# Altium PCB Quad-Stage-Prototype_V1.0.PcbDoc (part 3 of 3)
Units mm, origin at the board's own origin, x right, y up, seen from the top; angles counter-clockwise.
Board outline 267.25 x 88.5 mm, 2 copper layers (Top Layer, Bottom Layer), stack 1.548 mm thick; 272 components, 212 nets, 959 pads, 903 vias.
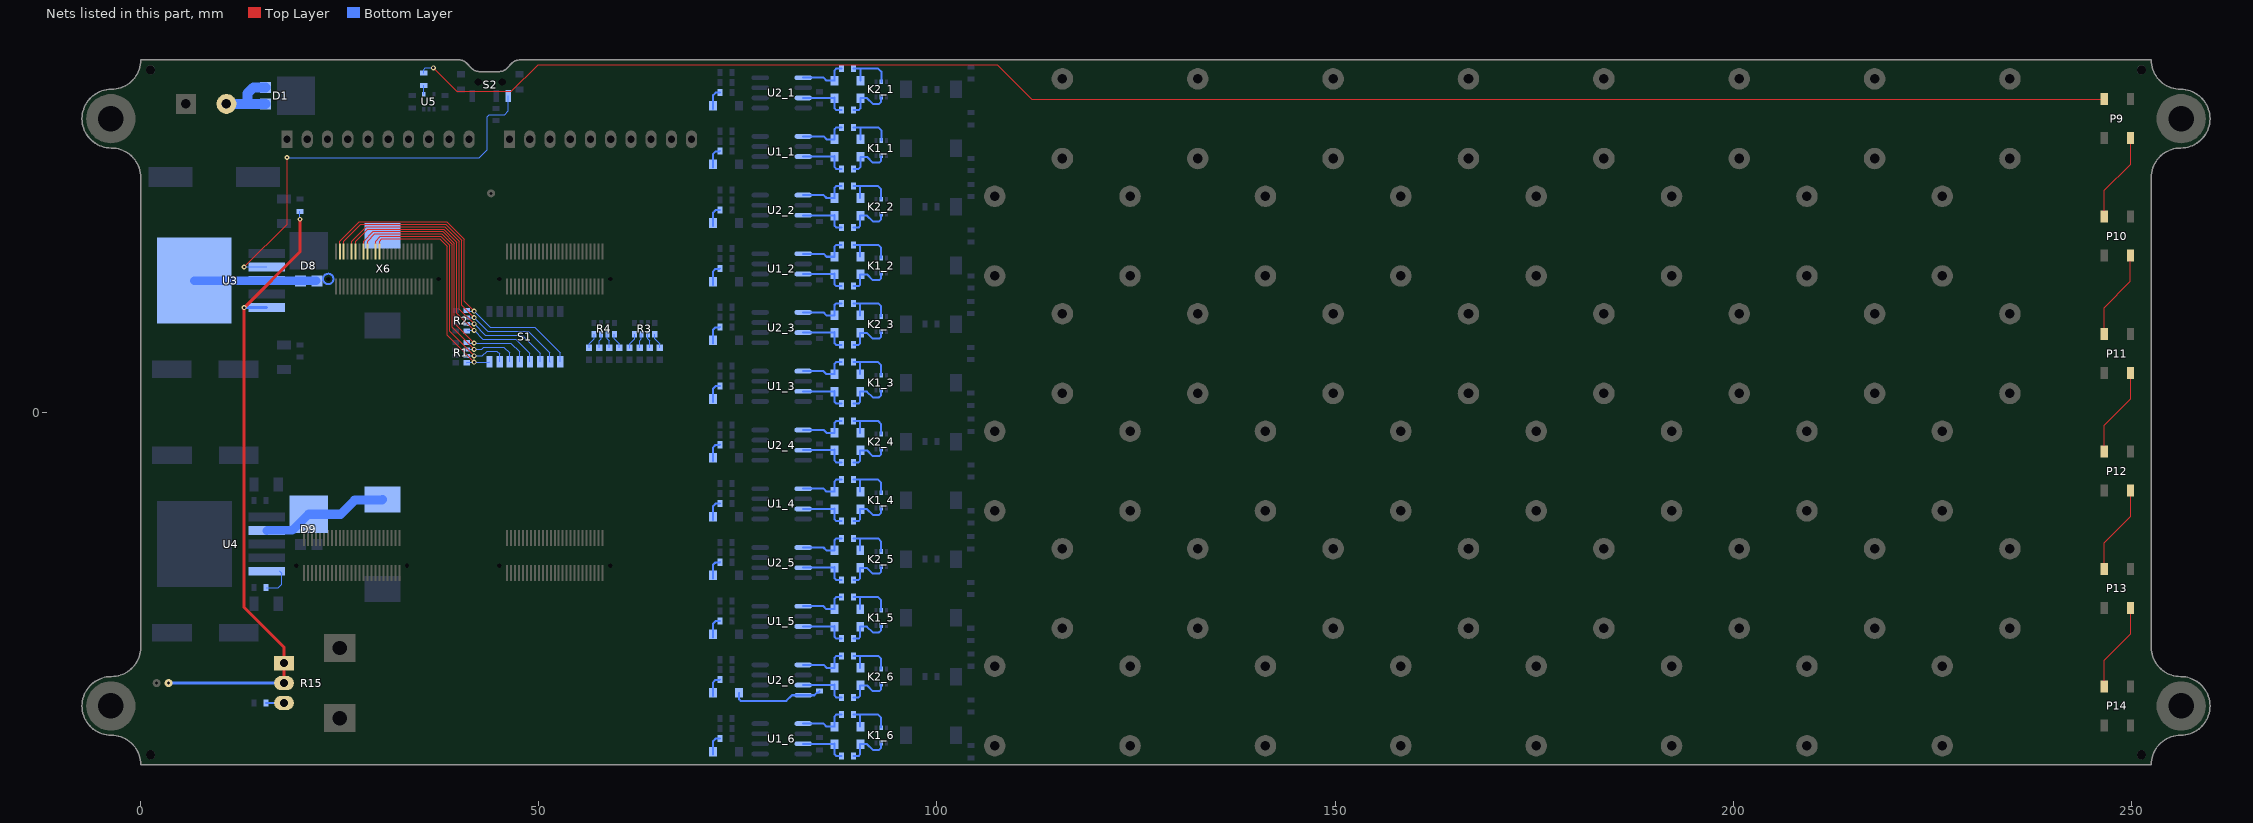
[diagram p3: the nets of this part, all layers, seen from the top]

## Via types
v1: diameter 0.62, hole 0.3, Top Layer to Bottom Layer, tented both sides, 903 vias

## Nets (pads, with @x,y where several pads share a name; then routed paths per layer and width w, separated by ;. In a path a pad name is that pad's centre, name@x,y a point inside that pad or via, vN(x,y) a via of type N, cw(c..) or ccw(c..) an arc to the next point about the centre after c; other vN are vias at no path point) (continued)
NetC7_6_2: C7_6.2 D5_6.K U2_6.8 | length 11.5
  Bottom Layer w0.254: D5_6.K@75.12,-35.221 75.147,-35.248 75.147,-36.045 75.347,-36.245 81.081,-36.245 81.796,-35.53 U2_6.8@83.2,-35.53 84.59,-35.53 84.917,-35.203 85.059,-35.203 C7_6.2@85.25,-35.012
NetD1_A: D1.A X1.2 | length 8.9
  Bottom Layer w1.27: X1.2@10.765,38.735 13.4,38.735 ; D1.A@15.695,38.71 15.67,38.735 13.4,38.735 ; D1.A@15.695,40.79 14.144,40.79 13.4,40.046 13.4,38.735
NetD2_1_A: D2_1.A R5_1.1 | length 2.7
  Bottom Layer w0.254: D2_1.A@71.883,30.75 71.883,31.15 71.883,32.459 72.191,32.767 72.708,32.767 R5_1.1@72.741,32.8
NetD2_2_A: D2_2.A R5_2.1 | length 2.7
  Bottom Layer w0.254: D2_2.A@71.88,16.005 71.88,16.405 71.88,17.714 72.188,18.022 72.705,18.022 R5_2.1@72.738,18.055
NetD2_3_A: D2_3.A R5_3.1 | length 2.7
  Bottom Layer w0.254: D2_3.A@71.876,1.275 71.876,1.675 71.876,2.984 72.184,3.292 72.701,3.292 R5_3.1@72.734,3.325
NetD2_4_A: D2_4.A R5_4.1 | length 2.7
  Bottom Layer w0.254: D2_4.A@71.88,-13.495 71.88,-13.095 71.88,-11.786 72.188,-11.478 72.705,-11.478 R5_4.1@72.738,-11.445
NetD2_5_A: D2_5.A R5_5.1 | length 2.7
  Bottom Layer w0.254: D2_5.A@71.876,-28.25 71.876,-27.85 71.876,-26.541 72.184,-26.233 72.701,-26.233 R5_5.1@72.734,-26.2
NetD2_6_A: D2_6.A R5_6.1 | length 2.7
  Bottom Layer w0.254: D2_6.A@71.88,-42.995 71.88,-42.595 71.88,-41.286 72.188,-40.978 72.705,-40.978 R5_6.1@72.738,-40.945
NetD3_1_A: D3_1.A K1_1.2 R6_1.1 | length 5.9
  Bottom Layer w0.25: R6_1.1@89.515,30.584 90.159,30.584 90.366,30.791 D3_1.A@90.366,32.077 ; D3_1.A@90.373,32.083 91.215,32.084 91.943,31.356 92.728,31.356 92.982,31.61 92.982,32.212 K1_1.2@93.003,32.233
NetD3_1_K: D3_1.K R6_1.2 U1_1.7 | length 6.2
  Bottom Layer w0.25: 87.14,30.791 87.347,30.584 R6_1.2@87.991,30.584 ; 87.14,30.891 87.14,32.111 D3_1.K@87.14,32.177
  Bottom Layer w0.254: U1_1.7@83.203,32.111 D3_1.K@87.14,32.111
NetD3_2_A: D3_2.A K1_2.2 R6_2.1 | length 5.9
  Bottom Layer w0.25: R6_2.1@89.512,15.839 90.156,15.839 90.363,16.046 D3_2.A@90.363,17.332 ; D3_2.A@90.37,17.338 91.212,17.338 91.94,16.611 92.725,16.611 92.979,16.865 92.979,17.467 K1_2.2@93,17.488
NetD3_2_K: D3_2.K R6_2.2 U1_2.7 | length 6.2
  Bottom Layer w0.25: 87.137,16.046 87.344,15.839 R6_2.2@87.988,15.839 ; 87.137,16.146 87.137,17.366 D3_2.K@87.137,17.432
  Bottom Layer w0.254: U1_2.7@83.2,17.366 D3_2.K@87.137,17.366
NetD3_3_A: D3_3.A K1_3.2 R6_3.1 | length 5.9
  Bottom Layer w0.25: R6_3.1@89.508,1.109 90.152,1.109 90.359,1.316 D3_3.A@90.359,2.602 ; D3_3.A@90.366,2.608 91.208,2.609 91.936,1.881 92.721,1.881 92.975,2.135 92.975,2.737 K1_3.2@92.996,2.758
NetD3_3_K: D3_3.K R6_3.2 U1_3.7 | length 6.2
  Bottom Layer w0.25: 87.133,1.316 87.34,1.109 R6_3.2@87.984,1.109 ; 87.133,1.416 87.133,2.636 D3_3.K@87.133,2.702
  Bottom Layer w0.254: U1_3.7@83.196,2.636 D3_3.K@87.133,2.636
NetD3_4_A: D3_4.A K1_4.2 R6_4.1 | length 5.9
  Bottom Layer w0.25: R6_4.1@89.512,-13.661 90.156,-13.661 90.363,-13.454 D3_4.A@90.363,-12.168 ; D3_4.A@90.37,-12.162 91.212,-12.161 91.94,-12.889 92.725,-12.889 92.979,-12.635 92.979,-12.033 K1_4.2@93,-12.012
NetD3_4_K: D3_4.K R6_4.2 U1_4.7 | length 6.2
  Bottom Layer w0.25: 87.137,-13.454 87.344,-13.661 R6_4.2@87.988,-13.661 ; 87.137,-13.354 87.137,-12.134 D3_4.K@87.137,-12.068
  Bottom Layer w0.254: U1_4.7@83.2,-12.134 D3_4.K@87.137,-12.134
NetD3_5_A: D3_5.A K1_5.2 R6_5.1 | length 5.9
  Bottom Layer w0.25: R6_5.1@89.508,-28.417 90.152,-28.416 90.359,-28.209 D3_5.A@90.359,-26.923 ; D3_5.A@90.366,-26.917 91.208,-26.916 91.936,-27.644 92.721,-27.644 92.975,-27.39 92.975,-26.788 K1_5.2@92.996,-26.767
NetD3_5_K: D3_5.K R6_5.2 U1_5.7 | length 6.2
  Bottom Layer w0.25: 87.133,-28.209 87.34,-28.416 R6_5.2@87.984,-28.417 ; 87.133,-28.109 87.133,-26.889 D3_5.K@87.133,-26.823
  Bottom Layer w0.254: U1_5.7@83.196,-26.889 D3_5.K@87.133,-26.889
NetD3_6_A: D3_6.A K1_6.2 R6_6.1 | length 5.9
  Bottom Layer w0.25: R6_6.1@89.512,-43.162 90.156,-43.161 90.363,-42.954 D3_6.A@90.363,-41.668 ; D3_6.A@90.37,-41.662 91.212,-41.661 91.94,-42.389 92.725,-42.389 92.979,-42.135 92.979,-41.533 K1_6.2@93,-41.512
NetD3_6_K: D3_6.K R6_6.2 U1_6.7 | length 6.2
  Bottom Layer w0.25: 87.137,-42.954 87.344,-43.161 R6_6.2@87.988,-43.162 ; 87.137,-42.854 87.137,-41.634 D3_6.K@87.137,-41.568
  Bottom Layer w0.254: U1_6.7@83.2,-41.634 D3_6.K@87.137,-41.634
NetD4_1_A: D4_1.A K1_1.5 R7_1.1 | length 6.4
  Bottom Layer w0.25: R7_1.1@89.515,35.783 90.366,35.784 ; D4_1.A@90.366,34.291 90.366,35.784 ; K1_1.5@93.003,34.133 93.003,35.399 92.618,35.784 90.366,35.784
NetD4_1_K: D4_1.K R7_1.2 U1_1.5 | length 6.3
  Bottom Layer w0.25: D4_1.K@87.133,34.284 87.14,34.291 87.14,35.577 87.347,35.784 R7_1.2@87.991,35.783
  Bottom Layer w0.254: U1_1.5@83.203,34.651 85.761,34.651 86.128,34.284 D4_1.K@87.133,34.284
NetD4_2_A: D4_2.A K1_2.5 R7_2.1 | length 6.4
  Bottom Layer w0.25: R7_2.1@89.512,21.038 90.363,21.039 ; D4_2.A@90.363,19.546 90.363,21.039 ; K1_2.5@93,19.388 93,20.654 92.615,21.039 90.363,21.039
NetD4_2_K: D4_2.K R7_2.2 U1_2.5 | length 6.3
  Bottom Layer w0.25: D4_2.K@87.13,19.537 87.137,19.546 87.137,20.832 87.344,21.039 R7_2.2@87.988,21.038
  Bottom Layer w0.254: U1_2.5@83.2,19.906 85.758,19.906 86.125,19.539 D4_2.K@87.13,19.537
NetD4_3_A: D4_3.A K1_3.5 R7_3.1 | length 6.4
  Bottom Layer w0.25: R7_3.1@89.508,6.309 90.359,6.309 ; D4_3.A@90.359,4.816 90.359,6.309 ; K1_3.5@92.996,4.658 92.996,5.924 92.611,6.309 90.359,6.309
NetD4_3_K: D4_3.K R7_3.2 U1_3.5 | length 6.3
  Bottom Layer w0.25: D4_3.K@87.126,4.808 87.133,4.816 87.133,6.102 87.34,6.309 R7_3.2@87.984,6.309
  Bottom Layer w0.254: U1_3.5@83.196,5.176 85.754,5.176 86.121,4.809 D4_3.K@87.126,4.808
NetD4_4_A: D4_4.A K1_4.5 R7_4.1 | length 6.4
  Bottom Layer w0.25: R7_4.1@89.512,-8.461 90.363,-8.461 ; D4_4.A@90.363,-9.954 90.363,-8.461 ; K1_4.5@93,-10.112 93,-8.846 92.615,-8.461 90.363,-8.461
NetD4_4_K: D4_4.K R7_4.2 U1_4.5 | length 6.3
  Bottom Layer w0.25: D4_4.K@87.13,-9.962 87.137,-9.954 87.137,-8.668 87.344,-8.461 R7_4.2@87.988,-8.461
  Bottom Layer w0.254: U1_4.5@83.2,-9.594 85.758,-9.594 86.125,-9.961 D4_4.K@87.13,-9.962
NetD4_5_A: D4_5.A K1_5.5 R7_5.1 | length 6.4
  Bottom Layer w0.25: R7_5.1@89.508,-23.216 90.359,-23.216 ; D4_5.A@90.359,-24.709 90.359,-23.216 ; K1_5.5@92.996,-24.867 92.996,-23.601 92.611,-23.216 90.359,-23.216
NetD4_5_K: D4_5.K R7_5.2 U1_5.5 | length 6.3
  Bottom Layer w0.25: D4_5.K@87.126,-24.717 87.133,-24.709 87.133,-23.423 87.34,-23.216 R7_5.2@87.984,-23.216
  Bottom Layer w0.254: U1_5.5@83.196,-24.349 85.754,-24.349 86.121,-24.716 D4_5.K@87.126,-24.717
NetD4_6_A: D4_6.A K1_6.5 R7_6.1 | length 6.4
  Bottom Layer w0.25: R7_6.1@89.512,-37.961 90.363,-37.961 ; D4_6.A@90.363,-39.454 90.363,-37.961 ; K1_6.5@93,-39.612 93,-38.346 92.615,-37.961 90.363,-37.961
NetD4_6_K: D4_6.K R7_6.2 U1_6.5 | length 6.3
  Bottom Layer w0.25: D4_6.K@87.13,-39.462 87.137,-39.454 87.137,-38.168 87.344,-37.961 R7_6.2@87.988,-37.961
  Bottom Layer w0.254: U1_6.5@83.2,-39.094 85.758,-39.094 86.125,-39.461 D4_6.K@87.13,-39.462
NetD5_1_A: D5_1.A R8_1.1 | length 2.7
  Bottom Layer w0.254: D5_1.A@71.883,38.124 D5_1.A@71.883,38.524 71.883,39.833 72.191,40.141 72.708,40.141 R8_1.1@72.741,40.174
NetD5_2_A: D5_2.A R8_2.1 | length 2.7
  Bottom Layer w0.254: D5_2.A@71.88,23.379 D5_2.A@71.88,23.779 71.88,25.088 72.188,25.396 72.705,25.396 R8_2.1@72.738,25.429
NetD5_3_A: D5_3.A R8_3.1 | length 2.7
  Bottom Layer w0.254: D5_3.A@71.876,8.649 D5_3.A@71.876,9.049 71.876,10.358 72.184,10.666 72.701,10.666 R8_3.1@72.734,10.699
NetD5_4_A: D5_4.A R8_4.1 | length 2.7
  Bottom Layer w0.254: D5_4.A@71.88,-6.121 D5_4.A@71.88,-5.721 71.88,-4.412 72.188,-4.104 72.705,-4.104 R8_4.1@72.738,-4.071
NetD5_5_A: D5_5.A R8_5.1 | length 2.7
  Bottom Layer w0.254: D5_5.A@71.876,-20.876 D5_5.A@71.876,-20.476 71.876,-19.167 72.184,-18.859 72.701,-18.859 R8_5.1@72.734,-18.826
NetD5_6_A: D5_6.A R8_6.1 | length 2.7
  Bottom Layer w0.254: D5_6.A@71.88,-35.621 D5_6.A@71.88,-35.221 71.88,-33.912 72.188,-33.604 72.705,-33.604 R8_6.1@72.738,-33.571
NetD6_1_A: D6_1.A K2_1.2 R10_1.1 | length 5.9
  Bottom Layer w0.25: R10_1.1@89.515,37.958 90.159,37.958 90.366,38.165 D6_1.A@90.366,39.451 ; D6_1.A@90.373,39.458 91.215,39.458 91.943,38.73 92.728,38.73 92.982,38.984 92.982,39.586 K2_1.2@93.003,39.607
NetD6_1_K: D6_1.K R10_1.2 U2_1.7 | length 6.2
  Bottom Layer w0.25: 87.14,38.165 87.347,37.958 R10_1.2@87.991,37.958 ; 87.14,38.265 87.14,39.485 D6_1.K@87.14,39.551
  Bottom Layer w0.254: U2_1.7@83.203,39.485 D6_1.K@87.14,39.485
NetD6_2_A: D6_2.A K2_2.2 R10_2.1 | length 5.9
  Bottom Layer w0.25: R10_2.1@89.512,23.213 90.156,23.213 90.363,23.42 D6_2.A@90.363,24.706 ; D6_2.A@90.37,24.712 91.212,24.712 91.94,23.985 92.725,23.985 92.979,24.239 92.979,24.841 K2_2.2@93,24.862
NetD6_2_K: D6_2.K R10_2.2 U2_2.7 | length 6.2
  Bottom Layer w0.25: 87.137,23.42 87.344,23.213 R10_2.2@87.988,23.213 ; 87.137,23.52 87.137,24.74 D6_2.K@87.137,24.806
  Bottom Layer w0.254: U2_2.7@83.2,24.74 D6_2.K@87.137,24.74
NetD6_3_A: D6_3.A K2_3.2 R10_3.1 | length 5.9
  Bottom Layer w0.25: R10_3.1@89.508,8.483 90.152,8.483 90.359,8.69 D6_3.A@90.359,9.976 ; D6_3.A@90.366,9.982 91.208,9.982 91.936,9.255 92.721,9.255 92.975,9.509 92.975,10.111 K2_3.2@92.996,10.132
NetD6_3_K: D6_3.K R10_3.2 U2_3.7 | length 6.2
  Bottom Layer w0.25: 87.133,8.69 87.34,8.483 R10_3.2@87.984,8.483 ; 87.133,8.79 87.133,10.01 D6_3.K@87.133,10.076
  Bottom Layer w0.254: U2_3.7@83.196,10.01 D6_3.K@87.133,10.01
NetD6_4_A: D6_4.A K2_4.2 R10_4.1 | length 5.9
  Bottom Layer w0.25: R10_4.1@89.512,-6.287 90.156,-6.287 90.363,-6.08 D6_4.A@90.363,-4.794 ; D6_4.A@90.37,-4.788 91.212,-4.788 91.94,-5.515 92.725,-5.515 92.979,-5.261 92.979,-4.659 K2_4.2@93,-4.638
NetD6_4_K: D6_4.K R10_4.2 U2_4.7 | length 6.2
  Bottom Layer w0.25: 87.137,-6.08 87.344,-6.287 R10_4.2@87.988,-6.287 ; 87.137,-5.98 87.137,-4.76 D6_4.K@87.137,-4.694
  Bottom Layer w0.254: U2_4.7@83.2,-4.76 D6_4.K@87.137,-4.76
NetD6_5_A: D6_5.A K2_5.2 R10_5.1 | length 5.9
  Bottom Layer w0.25: R10_5.1@89.508,-21.042 90.152,-21.042 90.359,-20.835 D6_5.A@90.359,-19.549 ; D6_5.A@90.366,-19.543 91.208,-19.543 91.936,-20.27 92.721,-20.27 92.975,-20.016 92.975,-19.414 K2_5.2@92.996,-19.393
NetD6_5_K: D6_5.K R10_5.2 U2_5.7 | length 6.2
  Bottom Layer w0.25: 87.133,-20.835 87.34,-21.042 R10_5.2@87.984,-21.042 ; 87.133,-20.735 87.133,-19.515 D6_5.K@87.133,-19.449
  Bottom Layer w0.254: U2_5.7@83.196,-19.515 D6_5.K@87.133,-19.515
NetD6_6_A: D6_6.A K2_6.2 R10_6.1 | length 5.9
  Bottom Layer w0.25: R10_6.1@89.512,-35.787 90.156,-35.787 90.363,-35.58 D6_6.A@90.363,-34.294 ; D6_6.A@90.37,-34.288 91.212,-34.288 91.94,-35.015 92.725,-35.015 92.979,-34.761 92.979,-34.159 K2_6.2@93,-34.138
NetD6_6_K: D6_6.K R10_6.2 U2_6.7 | length 6.2
  Bottom Layer w0.25: 87.137,-35.58 87.344,-35.787 R10_6.2@87.988,-35.787 ; 87.137,-35.48 87.137,-34.26 D6_6.K@87.137,-34.194
  Bottom Layer w0.254: U2_6.7@83.2,-34.26 D6_6.K@87.137,-34.26
NetD7_1_A: D7_1.A K2_1.5 R13_1.1 | length 6.4
  Bottom Layer w0.25: R13_1.1@89.515,43.158 90.366,43.158 ; D7_1.A@90.366,41.665 90.366,43.158 ; K2_1.5@93.003,41.507 93.003,42.773 92.618,43.158 90.366,43.158
NetD7_1_K: D7_1.K R13_1.2 U2_1.5 | length 6.3
  Bottom Layer w0.25: D7_1.K@87.133,41.658 87.14,41.665 87.14,42.951 87.347,43.158 R13_1.2@87.991,43.158
  Bottom Layer w0.254: U2_1.5@83.203,42.025 85.761,42.025 86.128,41.658 D7_1.K@87.133,41.658
NetD7_2_A: D7_2.A K2_2.5 R13_2.1 | length 6.4
  Bottom Layer w0.25: R13_2.1@89.512,28.413 90.363,28.413 ; D7_2.A@90.363,26.919 90.363,28.413 ; K2_2.5@93,26.762 93,28.028 92.615,28.413 90.363,28.413
NetD7_2_K: D7_2.K R13_2.2 U2_2.5 | length 6.3
  Bottom Layer w0.25: D7_2.K@87.13,26.912 87.137,26.919 87.137,28.205 87.344,28.413 R13_2.2@87.988,28.413
  Bottom Layer w0.254: U2_2.5@83.2,27.28 85.758,27.28 86.125,26.912 D7_2.K@87.13,26.912
NetD7_3_A: D7_3.A K2_3.5 R13_3.1 | length 6.4
  Bottom Layer w0.25: R13_3.1@89.508,13.683 90.359,13.683 ; D7_3.A@90.359,12.19 90.359,13.683 ; K2_3.5@92.996,12.032 92.996,13.298 92.611,13.683 90.359,13.683
NetD7_3_K: D7_3.K R13_3.2 U2_3.5 | length 6.3
  Bottom Layer w0.25: D7_3.K@87.126,12.183 87.133,12.19 87.133,13.476 87.34,13.683 R13_3.2@87.984,13.683
  Bottom Layer w0.254: U2_3.5@83.196,12.55 85.754,12.55 86.121,12.183 D7_3.K@87.126,12.183
NetD7_4_A: D7_4.A K2_4.5 R13_4.1 | length 6.4
  Bottom Layer w0.25: R13_4.1@89.512,-1.087 90.363,-1.087 ; D7_4.A@90.363,-2.581 90.363,-1.087 ; K2_4.5@93,-2.738 93,-1.472 92.615,-1.087 90.363,-1.087
NetD7_4_K: D7_4.K R13_4.2 U2_4.5 | length 6.3
  Bottom Layer w0.25: D7_4.K@87.13,-2.588 87.137,-2.581 87.137,-1.295 87.344,-1.087 R13_4.2@87.988,-1.087
  Bottom Layer w0.254: U2_4.5@83.2,-2.22 85.758,-2.22 86.125,-2.588 D7_4.K@87.13,-2.588
NetD7_5_A: D7_5.A K2_5.5 R13_5.1 | length 6.4
  Bottom Layer w0.25: R13_5.1@89.508,-15.842 90.359,-15.842 ; D7_5.A@90.359,-17.336 90.359,-15.842 ; K2_5.5@92.996,-17.493 92.996,-16.227 92.611,-15.842 90.359,-15.842
NetD7_5_K: D7_5.K R13_5.2 U2_5.5 | length 6.3
  Bottom Layer w0.25: D7_5.K@87.126,-17.343 87.133,-17.336 87.133,-16.05 87.34,-15.842 R13_5.2@87.984,-15.842
  Bottom Layer w0.254: U2_5.5@83.196,-16.975 85.754,-16.975 86.121,-17.343 D7_5.K@87.126,-17.343
NetD7_6_A: D7_6.A K2_6.5 R13_6.1 | length 6.4
  Bottom Layer w0.25: R13_6.1@89.512,-30.587 90.363,-30.587 ; D7_6.A@90.363,-32.08 90.363,-30.587 ; K2_6.5@93,-32.238 93,-30.972 92.615,-30.587 90.363,-30.587
NetD7_6_K: D7_6.K R13_6.2 U2_6.5 | length 6.3
  Bottom Layer w0.25: D7_6.K@87.13,-32.087 87.137,-32.08 87.137,-30.795 87.344,-30.587 R13_6.2@87.988,-30.587
  Bottom Layer w0.254: U2_6.5@83.2,-31.72 85.758,-31.72 86.125,-32.087 D7_6.K@87.13,-32.087
NetD8_A: D8.A L3.2 U3.3 | length 19.4
  Bottom Layer w0.254: 24.204,16.75 ccw(c23.55,16.75) 24.204,16.75
  Bottom Layer w1.067: U3.3@6.725,16.55 U3.3@15.825,16.55 D8.A@22.06,16.55
NetD9_K: D9.K L4.2 U4.2 | length 16.2
  Bottom Layer w1.067: U4.2@15.85,-14.85 15.867,-14.833 19.027,-14.833 21.06,-12.8 D9.K@21.1,-12.8
  Bottom Layer w1.143: D9.K@21.1,-12.8 25.1,-12.8 26.88,-11.02 30.28,-11.02 L4.2@30.375,-10.925
NetP1_A: P1.A R3.1 | length 2
  Bottom Layer w0.152: R3.1@64.565,9.825 64.565,9.235 65.161,8.639 65.161,8.134 P1.A@65.195,8.1
NetP2_A: P2.A R3.2 | length 1.8
  Bottom Layer w0.152: R3.2@63.69,9.825 63.69,9.21 63.925,8.975 P2.A@63.925,8.1
NetP3_A: P3.A R3.3 | length 1.8
  Bottom Layer w0.152: P3.A@62.655,8.1 62.655,8.975 62.89,9.21 R3.3@62.89,9.825
NetP4_A: P4.A R3.4 | length 2
  Bottom Layer w0.152: P4.A@61.385,8.1 61.419,8.134 61.419,8.639 62.015,9.235 R3.4@62.015,9.825
NetP5_A: P5.A R4.1 | length 2
  Bottom Layer w0.152: R4.1@59.485,9.825 59.485,9.235 60.081,8.639 60.081,8.134 P5.A@60.115,8.1
NetP6_A: P6.A R4.2 | length 1.8
  Bottom Layer w0.152: R4.2@58.61,9.825 58.61,9.21 58.845,8.975 P6.A@58.845,8.1
NetP7_A: P7.A R4.3 | length 1.8
  Bottom Layer w0.152: P7.A@57.575,8.1 57.575,8.975 57.81,9.21 R4.3@57.81,9.825
NetP8_A: P8.A R4.4 | length 2
  Bottom Layer w0.152: P8.A@56.305,8.1 56.339,8.134 56.339,8.639 56.935,9.235 R4.4@56.935,9.825
NetP9_2: P9.2 P10.4 | length 11.3
  Top Layer w0.152: P10.4@246.569,24.606 P10.4@246.6,24.575 246.6,27.88 249.9,31.18 P9.2@249.9,34.425
NetP9_4: P9.4 R19.1 | length 216
  Top Layer w0.152: v1(36.75,43.25) 39.7,40.3 46.55,40.3 49.92,43.67 107.58,43.67 111.925,39.325 P9.4@246.6,39.325
  Bottom Layer w0.152: R19.1@35.55,42.587 35.55,43.05 35.75,43.25 v1(36.75,43.25)
NetP10_2: P10.2 P11.4 | length 11.2
  Top Layer w0.152: P11.4@246.569,9.856 246.569,13.161 249.869,16.461 P10.2@249.869,19.706
NetP11_2: P11.2 P12.4 | length 11.2
  Top Layer w0.152: P12.4@246.6,-4.925 246.6,-1.62 249.9,1.68 P11.2@249.9,4.925
NetP12_2: P12.2 P13.4 | length 11.2
  Top Layer w0.152: P13.4@246.6,-19.675 246.6,-16.37 249.9,-13.07 P12.2@249.9,-9.825
NetP13_2: P13.2 P14.4 | length 11.2
  Top Layer w0.152: P14.4@246.6,-34.425 246.6,-31.12 249.9,-27.82 P13.2@249.9,-24.575
NetR14_1: R14.1 R15.CCW R15.M TP2.1 U3.5 | length 81.5
  Top Layer w0.381: R15.M@18,-34 R15.CCW@18,-31.5 18,-29.5 13,-24.5 13,-20.5 v1(13,13.15) 20,20.15 v1(20,24.25)
  Bottom Layer w0.152: v1(20,24.25) R14.1@20,25.238
  Bottom Layer w0.381: TP2.1@3.5,-34 R15.M@18,-34 ; v1(13,13.15) U3.5@15.825,13.15
NetR15_CW: R15.CW R17.2 | length 2.2
  Bottom Layer w0.25: R17.2@15.762,-36.5 R15.CW@18,-36.5
NetR18_2: R18.2 U4.5 | length 3.9
  Bottom Layer w0.152: R18.2@15.762,-22 17.3,-22 17.7,-21.6 17.7,-20.2 U4.5@17.4,-19.9
NetR19_2: R19.2 U5.4 | length 1.1
  Bottom Layer w0.152: U5.4@35.55,39.95 R19.2@35.55,41.063
NetS2_3: S2.3 U3.2 | length 53.3
  Top Layer w0.152: v1(13,18.25) 18.375,23.625 v1(18.375,32)
  Bottom Layer w0.152: v1(13,18.25) U3.2@15.825,18.25 ; v1(18.375,32) 42.5,32 43.5,33 43.5,37.1 43.8,37.4 45.7,37.4 46.15,37.85 S2.3@46.15,39.75
SW0: R2.1 S1.9 X6.49 | length 43.4
  Top Layer w0.152: X6.49@25,20.2 25,21.5 27.429,23.929 38.458,23.929 40.624,21.762 40.624,13.951 v1(41.875,12.7)
  Bottom Layer w0.152: R2.1@41.025,12.7 v1(41.875,12.7) 43.875,10.7 49.5,10.7 52.7,7.5 52.7,6.355 S1.9@52.695,6.35
SW1: R2.2 S1.10 X6.48 | length 41.6
  Top Layer w0.152: X6.48@25.5,20.2 25.5,21.5 27.624,23.624 38.331,23.624 40.319,21.636 40.319,13.456 v1(41.875,11.9)
  Bottom Layer w0.152: R2.2@40.95,11.9 v1(41.875,11.9) 43.575,10.2 48.7,10.2 51.4,7.5 51.4,6.375 S1.10@51.425,6.35
SW2: R2.3 S1.11 X6.46 | length 39.3
  Top Layer w0.152: X6.46@26.5,20.2 26.5,21.5 28.319,23.319 38.205,23.319 40.014,21.51 40.014,12.961 v1(41.875,11.1)
  Bottom Layer w0.152: R2.3@40.95,11.1 v1(41.875,11.1) 43.275,9.7 47.9,9.7 50.155,7.445 S1.11@50.155,6.35
SW3: R2.4 S1.12 X6.45 | length 37.4
  Top Layer w0.152: X6.45@27,20.2 27,21.5 28.514,23.014 38.079,23.014 39.71,21.384 39.71,12.465 v1(41.875,10.3)
  Bottom Layer w0.152: R2.4@41.025,10.3 v1(41.875,10.3) 42.975,9.2 47.1,9.2 48.885,7.415 S1.12@48.885,6.35
SW4: R1.1 S1.13 X6.43 | length 35.8
  Top Layer w0.152: X6.43@28,20.2 28,21.5 29.21,22.71 37.953,22.71 39.405,21.257 39.405,11.17 v1(41.875,8.7)
  Bottom Layer w0.152: R1.1@40.95,8.775 41.025,8.7 v1(41.875,8.7) 46.5,8.7 47.615,7.585 S1.13@47.615,6.35
SW5: R1.2 S1.14 X6.42 | length 34.1
  Top Layer w0.152: X6.42@28.5,20.2 28.5,21.5 29.405,22.405 37.826,22.405 39.1,21.131 39.1,10.675 v1(41.875,7.9)
  Bottom Layer w0.152: R1.2@40.95,7.9 v1(41.875,7.9) 42.8,7.9 43.1,8.2 45.6,8.2 46.345,7.455 S1.14@46.345,6.35
SW6: R1.3 S1.15 X6.40 | length 32
  Top Layer w0.152: X6.40@29.5,20.2 29.5,21.5 30.1,22.1 37.7,22.1 38.795,21.005 38.795,10.18 v1(41.875,7.1)
  Bottom Layer w0.152: R1.3@40.95,7.1 v1(41.875,7.1) 42.9,7.1 43.5,7.7 44.7,7.7 45.075,7.325 S1.15@45.075,6.35
SW7: R1.4 S1.16 X6.39 | length 29.2
  Top Layer w0.152: X6.39@30,20.2 30,21.5 30.295,21.795 37.574,21.795 38.49,20.879 38.49,9.685 v1(41.875,6.3)
  Bottom Layer w0.152: R1.4@40.95,6.225 41.025,6.3 v1(41.875,6.3) 43.755,6.3 S1.16@43.805,6.35
pads on no net: P14.2 R15.NC S2.1 S2.NC U5.1 X4.7 X4.13 X4.19 X4.25 X4.26 X4.32 X4.38 X4.44 X4.NC X5.7 X5.13 X5.19 X5.25 X5.26 X5.32 X5.38 X5.44 X5.NC X6.7 X6.12 X6.13 X6.14 X6.15 X6.17 X6.18 X6.19 X6.20 X6.21 X6.23 X6.24 X6.25 X6.26 X6.27 X6.28 X6.30 X6.31 X6.32 X6.33 X6.34 X6.36 X6.37 X6.38 X6.44 X6.NC X7.7 X7.8 X7.9 X7.11 X7.12 X7.13 X7.14 X7.15 X7.17 X7.18 X7.19 X7.20 X7.21 X7.23 X7.24 X7.27 X7.28 X7.30 X7.31 X7.32 X7.33 X7.34 X7.36 X7.37 X7.38 X7.39 X7.40 X7.42 X7.43 X7.44 X7.NC
copper on no net:
  other v1: -3.75,-39.175 256.25,-39.175 -4.63,-39 -2.87,-39 255.37,-39 257.13,-39 -5.376,-38.501 -2.124,-38.501 254.624,-38.501 257.876,-38.501 -5.875,-37.755 -1.625,-37.755 254.125,-37.755 258.375,-37.755 -6.05,-36.875 -1.45,-36.875 253.95,-36.875 258.55,-36.875 -5.875,-35.995 -1.625,-35.995 254.125,-35.995 258.375,-35.995 -5.376,-35.249 -2.124,-35.249 254.624,-35.249 257.876,-35.249 -4.63,-34.75 -2.87,-34.75 255.37,-34.75 257.13,-34.75 -3.75,-34.575 256.25,-34.575 -3.75,34.575 256.25,34.575 -4.63,34.75 -2.87,34.75 255.37,34.75 257.13,34.75 -5.376,35.249 -2.124,35.249 254.624,35.249 257.876,35.249 -5.875,35.995 -1.625,35.995 254.125,35.995 258.375,35.995 -6.05,36.875 -1.45,36.875 253.95,36.875 258.55,36.875 -5.875,37.755 -1.625,37.755 254.125,37.755 258.375,37.755 -5.376,38.501 -2.124,38.501 254.624,38.501 257.876,38.501 -4.63,39 -2.87,39 255.37,39 257.13,39 -3.75,39.175 256.25,39.175

## Polygon pours and split planes (outlines as drawn)
GND on Bottom Layer "GND_L02_P004" (solid, remove dead copper, pour order 4): 0.25,44.25 0.25,-44.25 252.25,-44.25 252.25,44.25
NetD1_A on Bottom Layer "NETD1_A_L02_P002" (solid, pour order 2): 16.5,41.5 16.5,38 12.25,38 11.65,37.4 10.1,37.4 9.25,38.25 9.25,39.25 10.1,40.1 12.35,40.1 13.75,41.5
12V on Bottom Layer "12V_L02_P000" (solid, pour order 0): 7.75,6.5 7.75,-6.5 15.5,-6.5 16.7,-7.7 16.7,-10 17.9,-10 17.9,-6.4 15,-3.5 15,1.9 17.9,4.8 18.9,4.8 18.9,6 15.4,6 14.9,6.5
GND on Top Layer "GND_L01_P003" (solid, remove dead copper, pour order 3): 0.25,44.25 0.25,-44.25 252.25,-44.25 252.25,44.25

## Keep-outs
Keep-Out Layer:
  lines w0.203: -3.75,-40.313 cw(c-3.75,-36.875) -7.188,-36.875 cw(c-3.75,-36.875) -3.75,-33.437 ; -3.75,33.437 cw(c-3.75,36.875) -7.188,36.875 cw(c-3.75,36.875) -3.75,40.313 ; -3.688,-40.312 cw(c-3.688,-44.25) 0.242,-44.001 252.258,-44.001 cw(c256.188,-44.25) 256.188,-40.312 ; -3.688,-33.438 ccw(c-3.688,-29.5) 0.25,-29.5 0.25,0 0.25,29.5 ; -3.688,33.438 cw(c-3.688,29.5) 0.25,29.5 ; -3.688,40.312 ccw(c-3.688,44.25) 0.242,44.001 ; 0.234,-44.001 0.234,-29.501 ; 0.242,44 40.025,44 cw(c40.025,43.043) 40.702,43.72 41.445,42.977 ccw(c42.475,44.007) 42.475,42.55 45.075,42.55 ccw(c45.075,44.007) 46.105,42.977 46.848,43.72 cw(c47.525,43.043) 47.525,44 252.258,44 ; 0.25,-41 ccw(c1.25,-41) 1.25,-42 cw(c1.25,-43) 2.25,-43 ccw(c3.25,-43) 3.25,-44 ; 0.25,41 cw(c1.25,41) 1.25,42 ccw(c1.25,43) 2.25,43 cw(c3.25,43) 3.25,44 ; 0.25,44 0.25,29.5 ; 249.25,-44 ccw(c249.25,-43) 250.25,-43 cw(c251.25,-43) 251.25,-42 ccw(c251.25,-41) 252.25,-41 ; 249.25,44 cw(c249.25,43) 250.25,43 ccw(c251.25,43) 251.25,42 cw(c251.25,41) 252.25,41 ; 252.25,-44.001 252.25,-29.501 ; 252.258,44.001 ccw(c256.188,44.25) 256.188,40.312 ; 252.266,29.5 252.266,44 ; 256.188,-33.438 cw(c256.188,-29.5) 252.25,-29.5 252.25,0 252.25,29.5 cw(c256.188,29.5) 256.188,33.438 ; 256.25,-40.313 ccw(c256.25,-36.875) 259.688,-36.875 ccw(c256.25,-36.875) 256.25,-33.437 ; 256.25,33.437 ccw(c256.25,36.875) 259.688,36.875 ccw(c256.25,36.875) 256.25,40.313

## Other copper
Top Layer:
  region net HV: 42.9,28.4 42.6,28.7 42.6,30.3 43.8,31.5 44.2,31.5 45.4,30.3 45.4,28.7 45.1,28.4
  region net 12V: 6.5,-5.75 8.4,-7.65 8.4,-7.7 8.8,-7.7 10.75,-5.75
  region net GND: 1.8,-5.75 2.55,-6.5 5.3,-6.5 6.05,-5.75 6.05,31.8 8.25,34 8.25,40.5 7.5,41.25 2.5,41.25 1.8,40.55
  region net 12V: 23.05,37.3 23.75,38 23.75,41.5 23.05,42.2 17.1,42.2 6.5,31.6 6.5,-5.75 7.25,-6.5 10,-6.5 10.75,-5.75 10.75,29.5 18.55,37.3
Bottom Layer:
  region net GND: 51.75,-25.75 32.75,-25.75 32.75,-42.25 51.75,-42.25 51.75,-28.5 51,-28.5 51,-40.25 cw(c49.75,-40.25) 49.75,-41.5 34.75,-41.5 cw(c34.75,-40.25) 33.5,-40.25 33.5,-27.75 cw(c34.75,-27.75) 34.75,-26.5 49.75,-26.5 cw(c49.75,-27.75) 51,-27.75 51,-28.5 51.75,-28.5
  pour cut-out: 51,-26.5 51,-41.5 33.5,-41.5 33.5,-26.5
  region: 47.636,-35.501 47.578,-35.501 47.521,-35.501 47.463,-35.501 47.405,-35.501 47.348,-35.501 47.29,-35.501 47.233,-35.501 47.175,-35.501 47.117,-35.501 47.06,-35.501 47.002,-35.501 46.944,-35.501 46.887,-35.501 46.829,-35.501 46.771,-35.501 46.714,-35.501 46.656,-35.501 46.599,-35.501 46.541,-35.501 46.483,-35.501 46.426,-35.501 46.368,-35.501 46.31,-35.501 46.253,-35.501 46.195,-35.501 46.137,-35.501 46.08,-35.501 46.022,-35.501 45.965,-35.501 45.907,-35.501 45.849,-35.501 45.792,-35.501 45.734,-35.501 45.676,-35.501 45.619,-35.501 45.561,-35.501 45.503,-35.501 45.446,-35.501 45.388,-35.501 45.331,-35.501 45.273,-35.501 45.215,-35.501 45.158,-35.501 45.1,-35.501 45.042,-35.501 44.985,-35.501 44.927,-35.501 44.869,-35.501 44.812,-35.501 44.754,-35.501 44.697,-35.501 44.639,-35.501 44.581,-35.501 44.524,-35.501 44.466,-35.501 44.408,-35.501 44.351,-35.501 44.293,-35.501 44.235,-35.501 44.178,-35.501 44.12,-35.501 44.063,-35.501 44.005,-35.501 43.947,-35.501 43.89,-35.501 43.832,-35.501 43.774,-35.501 43.774,-39.42 43.832,-39.42 43.89,-39.42 43.947,-39.42 44.005,-39.42 44.063,-39.42 44.12,-39.42 44.178,-39.42 44.235,-39.42 44.293,-39.42 44.351,-39.42 44.408,-39.42 44.466,-39.42 44.524,-39.42 44.581,-39.42 44.639,-39.42 44.697,-39.42 44.754,-39.42 44.812,-39.42 44.869,-39.42 44.927,-39.42 44.985,-39.42 45.042,-39.42 45.1,-39.42 45.158,-39.42 45.215,-39.42 45.273,-39.42 45.331,-39.42 45.388,-39.42 45.446,-39.42 45.503,-39.42 45.561,-39.42 45.619,-39.42 45.676,-39.42 45.734,-39.42 45.792,-39.42 45.849,-39.42 45.907,-39.42 45.965,-39.42 46.022,-39.42 46.08,-39.42 46.137,-39.42 46.195,-39.42 46.253,-39.42 46.31,-39.42 46.368,-39.42 46.426,-39.42 46.483,-39.42 46.541,-39.42 46.599,-39.42 46.656,-39.42 46.714,-39.42 46.771,-39.42 46.829,-39.42 46.887,-39.42 46.944,-39.42 47.002,-39.42 47.06,-39.42 47.117,-39.42 47.175,-39.42 47.233,-39.42 47.29,-39.42 47.348,-39.42 47.405,-39.42 47.463,-39.42 47.521,-39.42 47.578,-39.42 47.636,-39.42 47.694,-39.42 47.694,-35.501
  region: 40.604,-28.757 40.547,-28.757 40.489,-28.757 40.431,-28.757 40.374,-28.757 40.316,-28.757 40.259,-28.757 40.201,-28.757 40.143,-28.757 40.086,-28.757 40.028,-28.757 39.97,-28.757 39.913,-28.757 39.855,-28.757 39.797,-28.757 39.74,-28.757 39.682,-28.757 39.625,-28.757 39.567,-28.757 39.509,-28.757 39.452,-28.757 39.394,-28.757 39.336,-28.757 39.279,-28.757 39.221,-28.757 39.163,-28.757 39.106,-28.757 39.048,-28.757 38.991,-28.757 38.933,-28.757 38.875,-28.757 38.818,-28.757 38.76,-28.757 38.702,-28.757 38.645,-28.757 38.587,-28.757 38.529,-28.757 38.472,-28.757 38.414,-28.757 38.357,-28.757 38.299,-28.757 38.241,-28.757 38.184,-28.757 38.126,-28.757 38.068,-28.757 38.011,-28.757 37.953,-28.757 37.895,-28.757 37.838,-28.757 37.78,-28.757 37.723,-28.757 37.665,-28.757 37.607,-28.757 37.55,-28.757 37.492,-28.757 37.434,-28.757 37.377,-28.757 37.319,-28.757 37.261,-28.757 37.204,-28.757 37.146,-28.757 37.089,-28.757 37.031,-28.757 36.973,-28.757 36.916,-28.757 36.858,-28.757 36.8,-28.757 36.743,-28.757 36.743,-32.676 36.8,-32.676 36.858,-32.676 36.916,-32.676 36.973,-32.676 37.031,-32.676 37.089,-32.676 37.146,-32.676 37.204,-32.676 37.261,-32.676 37.319,-32.676 37.377,-32.676 37.434,-32.676 37.492,-32.676 37.55,-32.676 37.607,-32.676 37.665,-32.676 37.723,-32.676 37.78,-32.676 37.838,-32.676 37.895,-32.676 37.953,-32.676 38.011,-32.676 38.068,-32.676 38.126,-32.676 38.184,-32.676 38.241,-32.676 38.299,-32.676 38.357,-32.676 38.414,-32.676 38.472,-32.676 38.529,-32.676 38.587,-32.676 38.645,-32.676 38.702,-32.676 38.76,-32.676 38.818,-32.676 38.875,-32.676 38.933,-32.676 38.991,-32.676 39.048,-32.676 39.106,-32.676 39.163,-32.676 39.221,-32.676 39.279,-32.676 39.336,-32.676 39.394,-32.676 39.452,-32.676 39.509,-32.676 39.567,-32.676 39.625,-32.676 39.682,-32.676 39.74,-32.676 39.797,-32.676 39.855,-32.676 39.913,-32.676 39.97,-32.676 40.028,-32.676 40.086,-32.676 40.143,-32.676 40.201,-32.676 40.259,-32.676 40.316,-32.676 40.374,-32.676 40.431,-32.676 40.489,-32.676 40.547,-32.676 40.604,-32.676 40.662,-32.676 40.662,-28.757
  region: 40.604,-35.501 40.547,-35.501 40.489,-35.501 40.431,-35.501 40.374,-35.501 40.316,-35.501 40.259,-35.501 40.201,-35.501 40.143,-35.501 40.086,-35.501 40.028,-35.501 39.97,-35.501 39.913,-35.501 39.855,-35.501 39.797,-35.501 39.74,-35.501 39.682,-35.501 39.625,-35.501 39.567,-35.501 39.509,-35.501 39.452,-35.501 39.394,-35.501 39.336,-35.501 39.279,-35.501 39.221,-35.501 39.163,-35.501 39.106,-35.501 39.048,-35.501 38.991,-35.501 38.933,-35.501 38.875,-35.501 38.818,-35.501 38.76,-35.501 38.702,-35.501 38.645,-35.501 38.587,-35.501 38.529,-35.501 38.472,-35.501 38.414,-35.501 38.357,-35.501 38.299,-35.501 38.241,-35.501 38.184,-35.501 38.126,-35.501 38.068,-35.501 38.011,-35.501 37.953,-35.501 37.895,-35.501 37.838,-35.501 37.78,-35.501 37.723,-35.501 37.665,-35.501 37.607,-35.501 37.55,-35.501 37.492,-35.501 37.434,-35.501 37.377,-35.501 37.319,-35.501 37.261,-35.501 37.204,-35.501 37.146,-35.501 37.089,-35.501 37.031,-35.501 36.973,-35.501 36.916,-35.501 36.858,-35.501 36.8,-35.501 36.743,-35.501 36.743,-39.42 36.8,-39.42 36.858,-39.42 36.916,-39.42 36.973,-39.42 37.031,-39.42 37.089,-39.42 37.146,-39.42 37.204,-39.42 37.261,-39.42 37.319,-39.42 37.377,-39.42 37.434,-39.42 37.492,-39.42 37.55,-39.42 37.607,-39.42 37.665,-39.42 37.723,-39.42 37.78,-39.42 37.838,-39.42 37.895,-39.42 37.953,-39.42 38.011,-39.42 38.068,-39.42 38.126,-39.42 38.184,-39.42 38.241,-39.42 38.299,-39.42 38.357,-39.42 38.414,-39.42 38.472,-39.42 38.529,-39.42 38.587,-39.42 38.645,-39.42 38.702,-39.42 38.76,-39.42 38.818,-39.42 38.875,-39.42 38.933,-39.42 38.991,-39.42 39.048,-39.42 39.106,-39.42 39.163,-39.42 39.221,-39.42 39.279,-39.42 39.336,-39.42 39.394,-39.42 39.452,-39.42 39.509,-39.42 39.567,-39.42 39.625,-39.42 39.682,-39.42 39.74,-39.42 39.797,-39.42 39.855,-39.42 39.913,-39.42 39.97,-39.42 40.028,-39.42 40.086,-39.42 40.143,-39.42 40.201,-39.42 40.259,-39.42 40.316,-39.42 40.374,-39.42 40.431,-39.42 40.489,-39.42 40.547,-39.42 40.604,-39.42 40.604,-39.362 40.662,-39.362 40.662,-35.501
  region: 210 vertices and 0 holes, not listed, extent 43.544,-33.022 48.039,-28.469
  region net HV: 93.525,35.55 92.25,36.825 92.25,36.925 93.525,38.2 93.775,38.2 93.975,38 93.975,35.75 93.775,35.55
  region net HV: 42.9,30.6 42.4,30.1 42.1,29.8 42.1,29.2 42.9,28.4 45.1,28.4 45.4,28.7 45.4,30.3 45.1,30.6
  region net 12V: 17.1,42.2 17.1,37.3 23.05,37.3 23.75,38 23.75,41.5 23.05,42.2
  region net 12V: 19,15.4 19.6,14.8 24.4,14.8 26.7,12.5 26.7,9 25.35,9 21.6,5.25 21.6,11.9 19,14.5
  region net 12V: 13.5,15.4 13.5,14.3 18.1,14.3 21.5,10.9 21.5,9.7 22.2,9 32.7,9 32.7,12.6 21.8,12.6 19,15.4
  region net NetD8_A: 23.5,17.6 23.7,17.6 24,17.9 24,19.8 28,23.8 32.7,23.8 32.7,20.5 29.6,20.5 24.4,15.3 23.7,15.3 23.7,16.1 24.1,16.5 24.1,17 23.7,17.4 23.187,17.4 23.175,17.412 23.175,17.55
  region net NetD8_A: 23.5,17.6 19.575,17.6 19.175,17.2 22.875,17.2
  region net NetD8_A: 23.175,17.55 21.5,15.875 21.5,15.3 24.3,15.3 24.3,15.9 24.2,16 23.4,16 22.9,16.5 22.9,16.863 23.169,17.131
  region net NetD8_A: 22.5,15.3 19.775,15.3 19.075,16 20.275,17.2 22.5,17.2
  region net NetD8_A: 22.875,15.8 19.275,15.8 19.075,16 11.375,16 11.375,17.1 19.075,17.1 19.175,17.2 22.875,17.2
  region net NetD8_A: 12.475,17.1 11.375,18.2 11.075,18.2 11.075,14.8 11.275,14.8 12.475,16
  region net 5V: 13.5,-17.7 13.5,-18.8 19.8,-18.8 20,-19 20,-23.4 20.4,-23.8 32.7,-23.8 32.7,-20.5 28.3,-20.5 25.5,-17.7
  region net GND: 12.5,-16 11.4,-14.9 11.1,-14.9 11.1,-18.3 11.3,-18.3 12.5,-17.1
  region net GND: 22.9,-17.3 19.3,-17.3 19.1,-17.1 11.4,-17.1 11.4,-16 19.1,-16 19.2,-15.9 22.9,-15.9
  region net NetD9_K: 13.5,-14.3 18.3,-14.3 18.7,-13.9 18.7,-10.4 23.7,-10.4 24.8,-9.3 32.7,-9.3 32.7,-12.6 28.1,-12.6 25.5,-15.2 19.5,-15.2 19.3,-15.4 13.5,-15.4

## Silkscreen, mask and mechanical layers (free items; w line width, h text height)
Top Overlay:
  drawing of 56 lines, arcs and shapes, not listed
  text "Florian Baumgartner & Thierry Schwaller" at 75.73,42 h4 r270
  text "GND" at 17.725,32.029 h1.32 r270
  text "DATA" at 20.265,32.029 h1.32 r270
  text "LRCLK" at 22.805,32.029 h1.32 r270
  text "BCLK" at 25.345,32.029 h1.32 r270
  text "MOSI" at 27.885,32.029 h1.32 r270
  text "SCLK" at 30.425,32.029 h1.32 r270
  text "CS" at 32.965,32.029 h1.32 r270
  text "LEDs" at 35.505,32.029 h1.32 r270
  text "HV_EN" at 38.155,32.029 h1.32 r270
  text "3V3" at 40.585,32.029 h1.32 r270
  text "GND" at 45.665,32.029 h1.32 r270
  text "LED7" at 48.205,32.029 h1.32 r270
  text "LED6" at 50.745,32.029 h1.32 r270
  text "LED5" at 53.285,32.029 h1.32 r270
  text "LED4" at 55.825,32.029 h1.32 r270
  text "LED3" at 58.365,32.029 h1.32 r270
  text "LED2" at 60.905,32.029 h1.32 r270
  text "LED1" at 63.445,32.029 h1.32 r270
  text "LED0" at 65.985,32.029 h1.32 r270
  text "3V3" at 68.775,32.029 h1.32 r270
  text "GND" at 4.796,31.953 h1.78 r270
  text "12V" at 9.876,31.953 h1.78 r270
  text "TP1" at 43.594,26.348 h0.81 r270
  text "Volume" at 11.135,-25.75 h3.5 r270
  text "TP3" at 1.594,-35.152 h0.81 r270
  text "TP2" at 3.094,-35.152 h0.81 r270
Bottom Overlay:
  lines w0.203: 52.5,38.75 52.5,43.2 ; 49.1,38.75 49.1,43.2 55.9,43.2 55.9,38.75 49.1,38.75
  text "ON" at 50.242,40.154 h1.02 r270
  text "EXT" at 53.742,39.646 h1.02 r270
  text "HV POW" at 56.742,37.872 h1.02 r270
  text "V1.0" at 245.373,15 h2.4 r270
  text "28.03.2022" at 240,12 h2.4 r270
  text "Thierry Schwaller" at 242.62,5.5 h2.4 r270
  text "SW7" at 43.399,2.167 h0.81 r270
  text "SW6" at 44.669,2.167 h0.81 r270
  text "SW5" at 45.939,2.167 h0.81 r270
  text "SW4" at 47.209,2.167 h0.81 r270
  text "SW3" at 48.479,2.167 h0.81 r270
  text "SW2" at 49.749,2.167 h0.81 r270
  text "SW1" at 51.019,2.167 h0.81 r270
  text "SW0" at 52.289,2.167 h0.81 r270
  text "LED7" at 55.899,2.167 h0.81 r270
  text "LED6" at 57.169,2.167 h0.81 r270
  text "LED5" at 58.439,2.167 h0.81 r270
  text "LED4" at 59.709,2.167 h0.81 r270
  text "LED3" at 60.979,2.167 h0.81 r270
  text "LED2" at 62.249,2.167 h0.81 r270
  text "LED1" at 63.519,2.167 h0.81 r270
  text "LED0" at 64.789,2.167 h0.81 r270
  text "Ostschweizer Fachhochschule OST" at 240,-24 h2.4 r270
  text "Florian Baumgartner        &" at 242.622,-24 h2.4 r270
  text "Audio-Beamformer (6-Stage Prototype)" at 245.37,-24 h2.4 r270
Top Solder:
  drawing of 12 lines, arcs and shapes, not listed
Mechanical 1:
  lines w0.254: -3.688,-40.562 cw(c-3.688,-36.875) -7.375,-36.875 cw(c-3.688,-36.875) -3.688,-33.187 ; -3.688,33.187 cw(c-3.688,36.875) -7.375,36.875 cw(c-3.688,36.875) -3.688,40.562 ; -3.688,-40.562 cw(c-3.687,-44.25) 0,-44.25 252.5,-44.25 cw(c256.187,-44.25) 256.188,-40.562 ccw(c256.188,-36.875) 259.875,-36.875 ccw(c256.188,-36.875) 256.188,-33.187 cw(c256.187,-29.5) 252.5,-29.5 252.5,0 252.5,29.5 ; -3.688,-33.187 ccw(c-3.687,-29.5) 0,-29.5 0,0 0,29.5 ; -3.688,33.187 cw(c-3.687,29.5) 0,29.5 ; -3.688,40.562 ccw(c-3.687,44.25) 0,44.25 40.025,44.25 cw(c40.025,43.043) 40.879,43.896 41.621,43.154 ccw(c42.475,44.007) 42.475,42.8 43.775,42.8 45.075,42.8 ccw(c45.075,44.007) 45.929,43.154 46.671,43.896 cw(c47.525,43.043) 47.525,44.25 252.5,44.25 ccw(c256.187,44.25) 256.188,40.562 cw(c256.188,36.875) 259.875,36.875 cw(c256.188,36.875) 256.188,33.187 ccw(c256.187,29.5) 252.5,29.5
Mechanical 4:
  lines w0.254: 76,-29.525 252.5,-29.525 ; 76,0 252.5,0 ; 76.004,-14.77 252.504,-14.77 ; 76.004,14.73 252.504,14.73 ; 76.007,29.475 252.507,29.475
Mechanical 15:
  lines w0.127: -15.08,-61.74 -10,-61.74 ; -15.08,-13.48 -10,-13.48 ; -15.08,34.78 -10,34.78 ; -10,-97.3 104.3,-97.3 ; -10,-89.68 104.3,-89.68 ; 12.86,-104.92 12.86,-89.68 ; 57.945,-110 57.945,-104.92 ; 57.945,77.96 57.945,83.04 ; 66.2,-104.92 66.2,-89.68 66.2,-74.44 ; 66.2,-82.06 104.3,-82.06 ; 130.97,-110 130.97,-104.92 ; 130.97,77.96 130.97,83.04 ; 139.86,-104.92 104.3,-104.92 ; 203.995,-110 203.995,-104.92 ; 203.995,77.96 203.995,83.04 ; 262.02,-62 267.1,-62 ; 262.02,-13 267.1,-13 ; 262.02,35 267.1,35 ; -10,-104.92 262.02,-105 262.02,78 -10,77.96 -10,-104.92 ; -10,-104.92 104.3,-104.92 ; -10,-104.92 -10,-74.44 66.2,-74.44 ; 66.2,-74.44 104.3,-74.44 104.3,-104.92 ; -15.08,-110 267.02,-110 267.02,83 -15.08,83.04 -15.08,-110
  text "4" at 22.08,79.611 h1.78
  text "3" at 94.978,79.611 h1.78
  text "2" at 168.13,79.611 h1.78
  text "1" at 240.774,79.611 h1.78
  text "A" at 266.02,57 h1.78
  text "A" at -11.905,56.599 h1.78
  text "B" at 265.02,9 h1.78
  text "B" at -11.905,8.542 h1.78
  text "C" at -11.905,-39.972 h1.78
  text "C" at 265.02,-40 h1.78
  text "TITLE:" at 64.93,-76.98 h1.14
  text "ENGINEER:" at 103.03,-76.98 h1.14
  text "Florian Baumgartner" at 101.534,-80.823 h1.78
  text "PCB DESIGNER:" at 103.03,-84.473 h1.14
  text "Quad-Stage-Prototype" at 64.309,-85.065 h4
  text "D" at -11.905,-87.978 h1.78
  text "D" at 265.02,-88 h1.78
  text "Florian Baumgartner" at 101.534,-88.443 h1.78
  text "REV:" at 11.59,-92.22 h1.14
  text "PART NO.:" at 64.93,-92.22 h1.14
  text "DATE:" at 103.03,-92.22 h1.14
  text "25.03.2022" at 101.76,-95.268 h1.78
  text "V1.0" at 10.729,-96.063 h1.78
  text "1/1" at 64.704,-96.063 h1.78
  text "SCALE:" at 11.59,-99.84 h1.14
  text "DWG NO:" at 64.93,-99.84 h1.14
  text "FILE NAME:" at 103.03,-99.84 h1.14
  text "Quad-Stage-Prototype_V1.0.PcbDoc" at 101.534,-103.048 h1.32
  text "1:1" at 10.729,-103.683 h1.78
  text "1/1" at 64.704,-103.683 h1.78
  text "4" at 22.08,-108.349 h1.78
  text "3" at 94.978,-108.349 h1.78
  text "2" at 168.13,-108.349 h1.78
  text "1" at 240.774,-108.349 h1.78
Mechanical 16:
  lines w0.127: -15.08,-62 -10,-62 ; -15.08,-13 -10,-13 ; -15.08,35 -10,35 ; 48.025,-110 48.025,-104.92 ; 48.025,77.96 48.025,83.04 ; 112.16,-104.92 147.72,-104.92 ; 121.05,-110 121.05,-104.92 ; 121.05,77.96 121.05,83.04 ; 147.72,-97.3 262.02,-97.3 ; 147.72,-89.68 262.02,-89.68 ; 147.72,-82.06 185.82,-82.06 ; 185.82,-104.92 185.82,-89.68 185.82,-74.44 ; 194.075,-110 194.075,-104.92 ; 194.075,77.96 194.075,83.04 ; 239.16,-104.92 239.16,-89.68 ; 262.02,-61.74 267.1,-61.74 ; 262.02,-13.48 267.1,-13.48 ; 262.02,34.78 267.1,34.78 ; 147.72,-104.92 147.72,-74.44 185.82,-74.44 ; 147.72,-104.92 262.02,-104.92 ; 185.82,-74.44 262.02,-74.44 262.02,-104.92 ; 262.02,-104.92 262.02,77.96 -10,78 -10,-105 262.02,-104.92 ; -15,-110 -15,83 267.1,83.04 267.1,-110 -15,-110
  text "1" at 11.246,79.611 h1.78
  text "2" at 83.89,79.611 h1.78
  text "3" at 157.042,79.611 h1.78
  text "4" at 229.94,79.611 h1.78
  text "A" at -14,57 h1.78
  text "A" at 263.925,56.599 h1.78
  text "B" at -13,9 h1.78
  text "B" at 263.925,8.542 h1.78
  text "C" at 263.925,-39.972 h1.78
  text "C" at -13,-40 h1.78
  text "ENGINEER:" at 148.99,-76.98 h1.14
  text "TITLE:" at 187.09,-76.98 h1.14
  text "Florian Baumgartner" at 150.034,-80.823 h1.78
  text "PCB DESIGNER:" at 148.99,-84.473 h1.14
  text "Quad-Stage-Prototype" at 187.499,-85.065 h4
  text "D" at 263.925,-87.978 h1.78
  text "D" at -13,-88 h1.78
  text "Florian Baumgartner" at 150.034,-88.443 h1.78
  text "DATE:" at 148.99,-92.22 h1.14
  text "PART NO.:" at 187.09,-92.22 h1.14
  text "REV:" at 240.43,-92.22 h1.14
  text "25.03.2022" at 150.26,-95.268 h1.78
  text "1/1" at 186.864,-96.063 h1.78
  text "V1.0" at 240.204,-96.063 h1.78
  text "FILE NAME:" at 148.99,-99.84 h1.14
  text "DWG NO:" at 187.09,-99.84 h1.14
  text "SCALE:" at 240.43,-99.84 h1.14
  text "Quad-Stage-Prototype_V1.0.PcbDoc" at 150.034,-103.048 h1.32
  text "1/1" at 186.864,-103.683 h1.78
  text "1:1" at 240.204,-103.683 h1.78
  text "1" at 11.246,-108.349 h1.78
  text "2" at 83.89,-108.349 h1.78
  text "3" at 157.042,-108.349 h1.78
  text "4" at 229.94,-108.349 h1.78

## Dimensions
-3.75,-36.875 to -3.75,36.875 on Mechanical 4
256.188,40.562 to 256.187,-40.562 on Mechanical 4
-7.375,36.875 to 259.875,36.875 on Mechanical 4
256.25,36.875 to -3.75,36.875 on Mechanical 4

## Text inside footprints (layer, text, board x,y; h text height)
S1: Bottom Overlay "8" at 43.932,7.544 h0.41; Bottom Overlay "7" at 45.202,7.544 h0.41; Bottom Overlay "6" at 46.472,7.544 h0.41; Bottom Overlay "5" at 47.742,7.544 h0.41; Bottom Overlay "4" at 49.012,7.544 h0.41; Bottom Overlay "3" at 50.282,7.544 h0.41; Bottom Overlay "2" at 51.552,7.544 h0.41; Bottom Overlay "1" at 52.771,7.544 h0.41; Bottom Overlay "ON" at 53.025,11.049 h0.41